# Altium PCB ESP32-PicoDK.PcbDoc
Units mil, origin at the board's own origin, x right, y up, seen from the top; angles counter-clockwise.
Board outline 2080 x 860 mil, 2 copper layers (Top1, Bottom2), stack 40.202 mil thick; 54 components, 69 nets, 281 pads, 138 vias.
Unrouted connection lines stored in the file: 56.
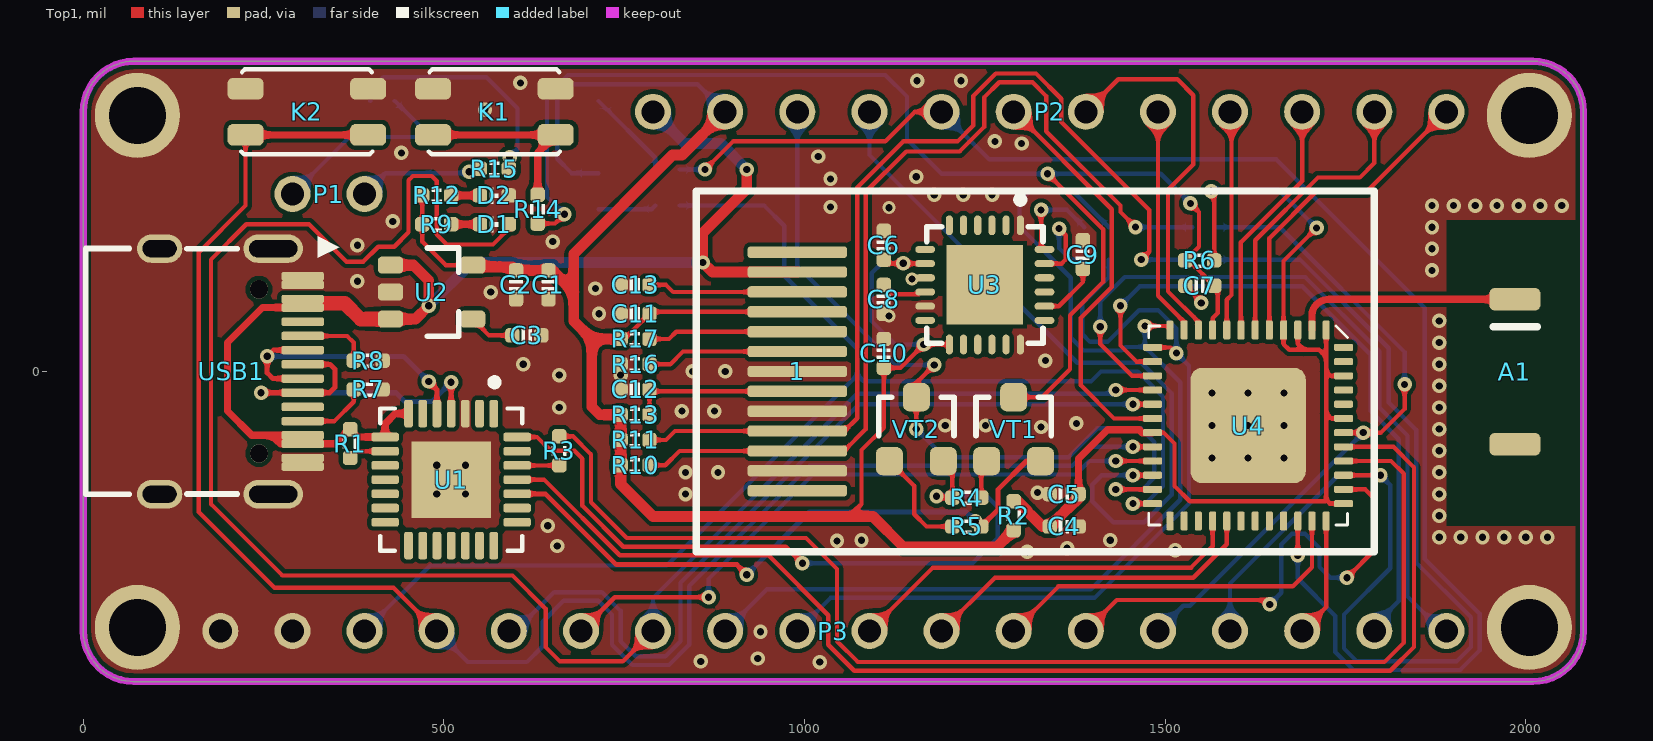
[diagram p0: Top1 view]
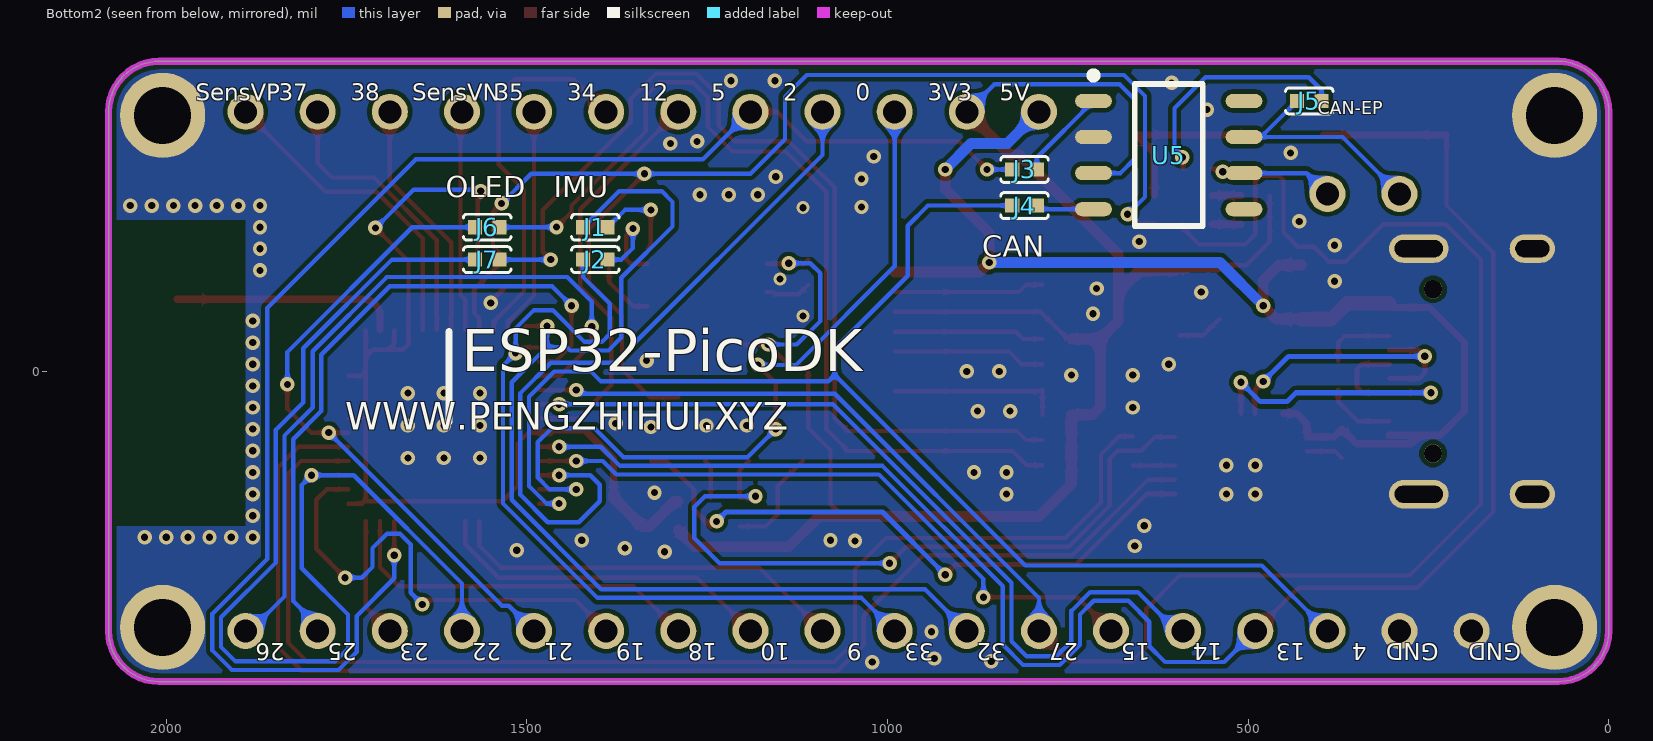
[diagram p1: Bottom2 view, seen from below]
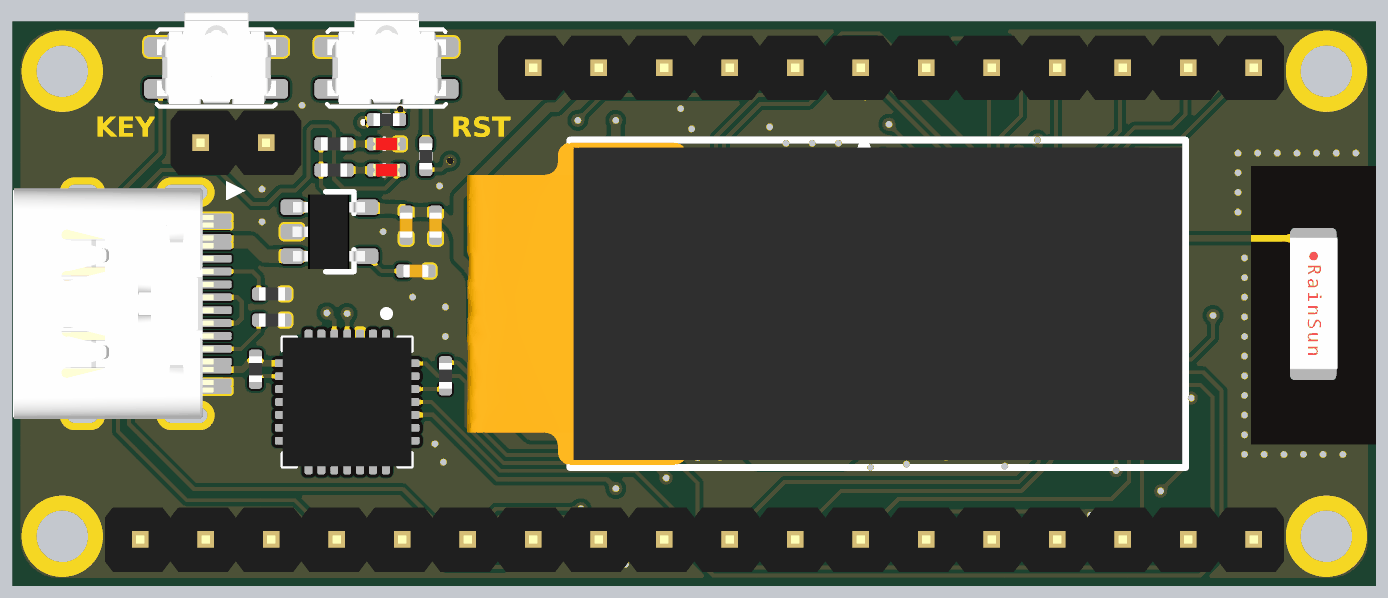
[diagram p2: 3D render of the assembled board from above, using the file's embedded part models]

## Layer stack, top to bottom
Top Solder: solder mask 0.4, Solder Resist, Dk 3.5
Top1: signal copper 1.4
Dielectric 1: core 37.4016, FR-4, Dk 4.2
Bottom2: signal copper 1.4
Bottom Solder: solder mask 0.4, Solder Resist, Dk 3.5

## Board outline
0,-360 0,360 cw(c70,360) 70,430 2010,430 cw(c2010,360) 2080,360 2080,-360 cw(c2010,-360) 2010,-430 70,-430 cw(c70,-360)

## Design rules (kind name [scope] priority, off if disabled: settings)
Clearance [All] p1: gap=6 ignorepadtopadclearanceinfootprint=FALSE
ComponentClearance [All] p1: gap=0 collisioncheckmode=3 verticalgap=0 showdistances=FALSE
DiffPairsRouting [All] p1: maxlimit=9 minlimit=9 mostfreqgap=9 toplayer_minwidth=4 toplayer_maxwidth=4 toplayer_prefwidth=4 bottomlayer_minwidth=4 bottomlayer_maxwidth=4 bottomlayer_prefwidth=4 maxuncoupledlength=500
FanoutControl Fanout_BGA [All] p1: bgadir=Out bgaviamode=Centered fanoutstyle=Auto fanoutdirection=Alternating viagrid=1 // Fanout_BGA (Default Rule)
HoleSize [All] p1: absolutevalues=TRUE maxlimit=10000 minlimit=8 maxpercent=80.000 minpercent=20.000
MinimumSolderMaskSliver [All] p1 off: minsoldermaskwidth=2
PlaneClearance [All] p1: clearance=8
PlaneConnect [All] p1: planeconnectstyle=Direct reliefexpansion=20 reliefentries=4 reliefconductorwidth=10 reliefairgap=10
PolygonConnect [All] p1: connectstyle=Direct reliefconductorwidth=10 reliefentries=4 polygonreliefangle="90 Angle" airgapwidth=10
RoutingVias [All] p1: holewidth=8 width=16 viastyle="Through Hole" minholewidth=6 minwidth=12 maxholewidth=28 maxwidth=50
SilkToBoardRegionClearance [All] p1 off:
SilkToSilkClearance [All] p1: silktosilkclearance=0
SilkToSolderMaskClearance [IsPad] p1: minsilkscreentomaskgap=0 clearancetoexposedcopper=TRUE
SolderMaskExpansion [All] p1: expansion=3 istentingtop=FALSE
Width [All] p1: maxlimit=10000 minlimit=6 preferedwidth=7
20 further rules are at their usual default settings.

## Components (designator, comment, footprint, x,y, rotation, side; value= is the part's Value field where it differs from the comment)
1 "OLED-12880" OLED-12880 990,0 r180 top locked
A1 "RAINSUN" ANT-Rainsun-AN5120 1985,0 r270 top
C1 "0.1uF" CAP_0402 645,120 r90 top value=0.1u
C2 "10uF" CAP_0402 600,120 r90 top value=0.1u
C3 "10nF" CAP_0402 615,50 r180 top value=0.1u
C4 "10uF" CAP_0402 1360,-215 r180 top value=0.1u
C5 "0.1uF" CAP_0402 1360,-170 r0 top value=0.1u
C6 "10nF" CAP_0402 1110,175 r90 top value=0.1u
C7 "0.1uF" CAP_0402 1548,118.89 r180 top value=0.1u
C8 "0.1uF" CAP_0402 1110,100 r270 top value=0.1u
C9 "2.2nF" CAP_0402 1386,162 r270 top value=0.1u
C10 "0.1uF" CAP_0402 1110,25 r270 top value=0.1u
C11 "10uF" CAP_0402 765,80 r0 top value=0.1u
C12 "10uF" CAP_0402 765,-25 r0 top value=0.1u
C13 "10uF" CAP_0402 765,120 r0 top value=0.1u
D1 "color?" LED_0402_RED 570,204 r0 top
D2 "color?" LED_0402_RED 570,244 r0 top
J1 "跳线" 0402-0R 1405,200 r0 bottom
J2 "跳线" 0402-0R 1405,155 r0 bottom
J3 "跳线" 0402-0R 810,280 r0 bottom
J4 "跳线" 0402-0R 810,230 r0 bottom
J5 "跳线" 0402-0R 415,375 r180 bottom
J6 "跳线" 0402-0R 1555,200 r0 bottom
J7 "跳线" 0402-0R 1555,155 r0 bottom
K1 "TACT 4P" ButtonTACT_3.5*3.55_90 570,360 r0 top value=3.4x3.5
K2 "TACT 4P" ButtonTACT_3.5*3.55_90 310,360 r0 top value=3.4x3.5
P1 "HDR2x1_2.54" HDR1X2_2.54_180 290,246 r90 top
P2 "HDR1x12_2.54" HDR1X12_2.54_180 1890,360 r270 top locked
P3 "HDR1x18_2.54" HDR1X18_2.54_180 1890,-360 r270 top locked
R1 "10K" RES_0402 370,-100 r270 top value=22R
R2 "0R" RES_0402 1290,-200 r90 top value=22R
R3 "200R" RES_0402 660,-110 r270 top value=22R
R4 "12K" RES_0402 1225,-175 r0 top value=22R
R5 "12K" RES_0402 1225,-215 r180 top value=22R
R6 "10K" RES_0402 1548,153.89 r180 top value=22R
R7 "5.1K" RES_0402 395,-25 r0 top value=22R
R8 "5.1K" RES_0402 395,15 r0 top value=22R
R9 "1K" RES_0402 490,204 r0 top value=22R
R10 "10K" RES_0402 765,-130 r180 top value=22R
R11 "10K" RES_0402 765,-95 r180 top value=22R
R12 "1K" RES_0402 490,244 r0 top value=22R
R13 "10K" RES_0402 765,-60 r180 top value=22R
R14 "1K" RES_0402 630,225 r270 top value=22R
R15 "120R" RES_0402 570,281 r180 top value=22R
R16 "560K" RES_0402 765,10 r180 top value=22R
R17 "4.7K" RES_0402 765,45 r180 top value=22R
U1 "CP2102" QFN-28 510,-150 r270 top value=Value
U2 "LP2992 3V3" SOT23-5 485,110 r0 top
U3 "MPU6050" QFN-24 1250,120 r270 top locked
U4 "ESP32_SIP" QFN-48_7X7 1615,-75 r270 top
U5 "SN65HVD232D" SO-8 610,300 r180 bottom
USB1 "Type-C" Type-C-TOP 205,0 r180 top locked
VT1 "S8050" SMT_TRIODE_NPN 1290,-80 r0 top
VT2 "S8050" SMT_TRIODE_NPN 1155,-80 r0 top

## Footprints (in the part's own frame and the unit in brackets; to place one, negate y for a bottom-side part, rotate by r counter-clockwise, add the part's x,y. Pads: shape width x height; smd on the part's side, far side on the other; paste and mask are expansions set on the pad)
0402-0R [mm] "选择焊盘"
  rect 0.5x0.5 smd: 1(-0.432,0) 2(0.432,0)
  silkscreen extent -0.84,-0.46 0.84,0.46
ANT-Rainsun-AN5120 [mm] "选择焊盘"
  rrect50% 0.8x1.8 smd: 1(-2.54,0) ""(2.563,0)
  silkscreen extent -1.57,-0.76 -1.57,0.79, body extent -2.57,-0.91 2.54,0.94, height 1.32
ButtonTACT_3.5*3.55_90 [mil]
  rrect50% 50x30 smd: 1(-85,32) 2(-85,-32) 3(85,32) 4(85,-32)
  silkscreen extent -91,-59 91,59, body extent -90,-55 91,85, height 56
CAP_0402 [mil]
  rrect50% 20x20 smd: 1(-20,0) 2(20,0)
  silkscreen extent -7,-9 7,9, body extent -20,-10 20,10, height 20
HDR1X2_2.54_180 [mil]
  round 50 hole 32: 1(0,0) 2(0,-100)
  body extent -49,-150 49,50, height 323
HDR1X12_2.54_180 [mil]
  round 50 hole 32: 1(0,0) 2(0,-100) 3(0,-200) 4(0,-300) 5(0,-400) 6(0,-500) 7(0,-600) 8(0,-700) 9(0,-800) 10(0,-900) 11(0,-1000) 12(0,-1100)
  body extent -49,-1150 49,50, height 323
HDR1X18_2.54_180 [mil]
  round 50 hole 32: 1(0,0) 2(0,-100) 3(0,-200) 4(0,-300) 5(0,-400) 6(0,-500) 7(0,-600) 8(0,-700) 9(0,-800) 10(0,-900) 11(0,-1000) 12(0,-1100) 13(0,-1200) 14(0,-1300) 15(0,-1400) 16(0,-1500) 17(0,-1600) 18(0,-1700)
  body extent -49,-1750 49,50, height 323
LED_0402_RED [mil]
  rrect50% 20x20 smd: 1(-20,0) 2(20,0)
  silkscreen extent -6,-10 6,10, body extent -20,-10 20,10, height 18
OLED-12880 [mm]
  rrect50% 3.5x0.4 smd: 1(0,-4.2) 2(0,-3.5) 3(0,-2.8) 4(0,-2.1) 5(0,-1.4) 6(0,-0.7) 7(0,0) 8(0,0.7) 9(0,1.4) 10(0,2.1) 11(0,2.8) 12(0,3.5) 13(0,4.2)
  silkscreen extent -20.32,-6.35 3.56,6.35, body extent -20.18,-6.25 7.54,6.25, height 1.55
QFN-24 [mm] "QFN, 24-Leads, Body 4.1x4.1mm (max), Pitch 0.50mm, IPC Low Density"
  oval 0.7x0.25 smd: 1(-2.1,1.25) 2(-2.1,0.75) 3(-2.1,0.25) 4(-2.1,-0.25) 5(-2.1,-0.75) 6(-2.1,-1.25) 13(2.1,-1.25) 14(2.1,-0.75) 15(2.1,-0.25) 16(2.1,0.25) 17(2.1,0.75) 18(2.1,1.25)
  oval 0.25x0.7 smd: 7(-1.25,-2.1) 8(-0.75,-2.1) 9(-0.25,-2.1) 10(0.25,-2.1) 11(0.75,-2.1) 12(1.25,-2.1) 19(1.25,2.1) 20(0.75,2.1) 21(0.25,2.1) 22(-0.25,2.1) 23(-0.75,2.1) 24(-1.25,2.1)
  rect 2.8x2.7 smd: ""(0,0)
  silkscreen extent -3.12,-2.05 2.05,2.05, body extent -2.02,-2.02 2.02,2.02, height 0.95
QFN-28 [mil]
  rrect50% 38x12 smd mask+5: 1(-91.5,59.06) 2(-91.5,39.37) 3(-91.5,19.69) 4(-91.5,0) 5(-91.5,-19.68) 6(-91.5,-39.37) 7(-91.5,-59.06) 15(91.5,-59.06) 16(91.5,-39.37) 17(91.5,-19.68) 18(91.5,0) 19(91.5,19.69) 20(91.5,39.37) 21(91.5,59.06)
  rrect50% 12x38 smd mask+5: 8(-59.06,-91.5) 9(-39.37,-91.5) 10(-19.69,-91.5) 11(0,-91.5) 12(19.68,-91.5) 13(39.37,-91.5) 14(59.06,-91.5) 22(59.06,91.5) 23(39.37,91.5) 24(19.68,91.5) 25(0,91.5) 26(-19.69,91.5) 27(-39.37,91.5) 28(-59.06,91.5)
  rect 106.3x110.24 smd: 29(0,0)
  silkscreen extent -140,-99 99,99, body extent -99,-99 98,98, height 35
QFN-48_7X7 [mm]
  rrect50% 0.675x0.25 smd: 1(-3.363,2.75) 2(-3.363,2.25) 3(-3.363,1.75) 4(-3.363,1.25) 5(-3.363,0.75) 6(-3.363,0.25) 7(-3.363,-0.25) 8(-3.363,-0.75) 9(-3.363,-1.25) 10(-3.363,-1.75) 11(-3.363,-2.25) 12(-3.363,-2.75) 25(3.363,-2.75) 26(3.363,-2.25) 27(3.363,-1.75) 28(3.363,-1.25) 29(3.363,-0.75) 30(3.363,-0.25) 31(3.363,0.25) 32(3.363,0.75) 33(3.363,1.25) 34(3.363,1.75) 35(3.363,2.25) 36(3.363,2.75)
  rrect50% 0.25x0.675 smd: 13(-2.75,-3.363) 14(-2.25,-3.363) 15(-1.75,-3.363) 16(-1.25,-3.363) 17(-0.75,-3.363) 18(-0.25,-3.363) 19(0.25,-3.363) 20(0.75,-3.363) 21(1.25,-3.363) 22(1.75,-3.363) 23(2.25,-3.363) 24(2.75,-3.363) 37(2.75,3.363) 38(2.25,3.363) 39(1.75,3.363) 40(1.25,3.363) 41(0.75,3.363) 42(0.25,3.363) 43(-0.25,3.363) 44(-0.75,3.363) 45(-1.25,3.363) 46(-1.75,3.363) 47(-2.25,3.363) 48(-2.75,3.363)
  rrect20% 4.064x4.064 smd: 49(0,0)
  silkscreen extent -3.5,-3.5 3.5,3.5, body extent -3.5,-3.5 3.5,3.5, height 1
RES_0402 [mil]
  rrect50% 20x20 smd: 1(-20,0) 2(20,0)
  silkscreen extent -7,-10 7,10, body extent -20,-10 20,10, height 14
SMT_TRIODE_NPN [mm] "Surface mount NPN transistor, package SOT-23"
  rrect50% 0.95x1 smd: 1(-0.95,-1.125) 2(0.95,-1.125) 3(0,1.125)
  silkscreen extent -1.33,-0.22 1.32,1.13, body extent -1.45,-1.4 1.45,1.4, height 1.3
SO-8 [mm]
  oval 1.3x0.5 smd: 1(-2.65,1.905) 2(-2.65,0.635) 3(-2.65,-0.635) 4(-2.65,-1.905) 5(2.65,-1.905) 6(2.65,-0.635) 7(2.65,0.635) 8(2.65,1.905)
  silkscreen extent -2.78,-2.5 1.2,2.93, body extent -2.89,-2.44 2.89,2.46, height 1.45
SOT23-5 [mm] "SOT23, 3-Leads, Body 3.1x3.0mm (max), Pitch 0.95mm, IPC Medium Density"
  rrect50% 0.889x0.6 smd: 1(-1.5,0.95) 2(-1.5,0) 3(-1.5,-0.95) 4(1.396,-0.95) 5(1.396,0.95)
  silkscreen extent -0.2,-1.55 0.9,1.55, body extent -1.48,-1.45 1.32,1.45, height 1.2
Type-C-TOP [mm]
  round 0.65 hole 0.65: 0(-0.98,2.89) 0(-0.98,-2.89)
  oval 1.6x1 hole 0.6 slot 1.2 at 0 deg: 1(2.52,4.325) 2(2.52,-4.325)
  oval 2.1x1 hole 0.6 slot 1.7 at 0 deg: 3(-1.48,-4.325) 4(-1.48,4.325)
  rrect50% 1.5x0.3 smd: A1(-2.52,-3.35) A4(-2.52,-2.55) A5(-2.52,-1.25) A6(-2.52,-0.25) A7(-2.52,0.25) A8(-2.52,1.25) A9(-2.52,2.55) A12(-2.52,3.35) B1(-2.52,3.05) B4(-2.52,2.25) B5(-2.52,1.75) B6(-2.52,0.75) B7(-2.52,-0.75) B8(-2.52,-1.75) B9(-2.52,-2.25) B12(-2.52,-3.05)
  silkscreen extent -0.22,-4.33 5.12,4.33, body extent -2.57,-4.48 5.18,4.48, height 3.26

## Part data
A1: library part ANT-Rainsun-AP5120
C1 C2 C3 C4 C5 C6 C7 C8 C9 C10 C11 C12 C13: library part 电容-0402, "Capacitor"
D1 D2: library part LED_0402, "LED", Type=0402
J1 J2 J3 J4 J5 J6 J7: "Resistor", LatestRevisionDate=17-Jul-2002, LatestRevisionNote="Re-released for DXP Platform.", PackageDescription="Axial Device, Thru-Hole; 2 Leads; 0.4 in Pin Spacing", PackageReference=AXIAL-0.4, Published=8-Jun-2000, Publisher="Altium Limited"
K1 K2: library part ButtonTACT, "Button", Type="TACT 4P"
P1 P2 P3: "Header"
R1 R2 R3 R4 R5 R6 R7 R8 R9 R10 R11 R12 R13 R14 R15 R16 R17: library part 电阻-0402, "Resistor"
U1: "USB转TTL", MFG #1="SILICON LABS", PART DESC="SINGLE-CHIP USB TO UART BRIDGE, QFN28, RoHS.", PART NUMBER=CP2102, RefDes=RefDes, Type=DEV
U2: library part LP2992, "LDO"
U3: "六轴传感器"
U4: library part ESP32-PICO
U5: Manufacturer="Texas Instruments", Manufacturer Part Number=SN65HVD232DR, Operating Temperature="-40°C ~ 85°C", Package / Case="8-SOIC (0.154\", 3.90mm Width)", Supplier Device Package=8-SOIC, Supplier Part Number 1=296-26344-2-ND, Voltage - Supply="3 V ~ 3.6 V", Category="Integrated Circuits (ICs)", ComponentLink1Description=http://www.ti.com/lit/ds/symlink/sn65hvd230.pdf, ComponentLink1URL=http://www.ti.com/lit/ds/symlink/sn65hvd230.pdf, Data Rate=1Mbps, Duplex=Half, Mounting Type="Surface Mount", Number of Drivers/Receivers=1/1, Packaging="Tape & Reel (TR)", Part Status=Active, Pricing 1="2500=0.84375 (USD)", Pricing 2="1=2.05, 10=1.842, 100=1.4809, 500=1.21668, 1000=1.00811 (USD)", Protocol=CAN, RoHS="RoHS Compliant", Stock=5000, Supplier 1=Digi-Key, Supplier 2=Digi-Key, Supplier Part Number 2=296-26344-1-ND, Type=Transceiver
USB1: library part USB-Type-C-TOP
VT1 VT2: library part SMT_TRIODE_NPN, "Surface mount NPN transistor, package SOT-23"

## Free pads (board coordinates)
  round 118.11 hole 78.74: ""(75,-355) ""(75,355) ""(2005,-355) ""(2005,355)

## Via types
v1: diameter 20, hole 10, Top1 to Bottom2, tented both sides, 135 vias
v2: diameter 18, hole 10, Top1 to Bottom2, tented both sides, 3 vias

## Nets (pads, with @x,y where several pads share a name; then routed paths per layer and width w, separated by ;. In a path a pad name is that pad's centre, name@x,y a point inside that pad or via, vN(x,y) a via of type N, cw(c..) or ccw(c..) an arc to the next point about the centre after c; other vN are vias at no path point)
3V3A: C4.2 C5.2 R2.2 R6.1 U4.1 U4.3 U4.4 U4.19 U4.37 U4.43 U4.46 | length 1465.8
  Top1 w6: U4.19 1497.84,-84.84 1513,-100 1513,-159 1534,-180 1721.54,-180 1723.27,-178.27 ; v1(1563.99,250) 1568,245.99 R6.1 ; U4.3 1683.9,38.74 1692.63,30 ; v1(1710,199) 1664.21,153.21 U4.4 1664.21,37.79 1672,30 1692.63,30 ; U4.1 1723.27,20 ; U4.37 1728.27,-183.27 1723.27,-178.27 ; U4.43 1730.16,-65.16 1723.27,-58.27 ; U4.46 1729.1,-6.1 1723.27,-0.27 ; 1692.63,30 1713.27,30 1723.27,20 ; 1723.27,-178.27 1723.27,-58.27 ; 1723.27,-58.27 1723.27,-0.27 ; 1723.27,-0.27 1723.27,20
  Top1 w10: C5.2 1380,-121 1420,-81 1464,-81 1468,-85 1482.46,-85 U4.19
  Top1 w15: R2.2 1295,-180 1330,-215 C4.2@1335,-215 ; C4.2 1380,-175 C5.2
  Bottom2 w6: v1(1563.99,250) 1565.99,252 1657,252 v1(1710,199)
CAN_H: J5.1 P1.1 U5.7 | length 319.1
  Bottom2 w6: P1.1 369,325 U5.7@482,325 ; J5.1 U5.7@482,325 ; U5.7 U5.7@482,325
CAN_L: P1.2 R15.2 U5.6 | length 174.5
  Top1 w6: v1(535,277) 539,281 R15.2
  Bottom2 w6: P1.2 419,275 U5.6 533,275 v1(535,277)
CAN_Rx: J4.1 U5.4 | length 80.7
  Bottom2 w6: U5.4 788,225 J4.1
CAN_Tx: J3.1 U5.1 | length 127.6
  Bottom2 w6: U5.1 793,296.33 J3.1
CP_Rx: U1.25 U4.41 | length 1749.4
  Top1 w6: U1.25 638.68,-150 743.68,-255 950,-255 1033,-338 1033,-379 1069,-415 1812,-415 1845,-382 1845,-133 1816.53,-104.53 U4.41
CP_Tx: R3.1 U4.40 | length 1734.3
  Top1 w6: R3.1 679,-90 704,-115 704,-181.38 753.62,-231 1002,-231 1045,-274 1045,-374.03 1073.97,-403 1804,-403 1831,-376 1831,-142 1813.21,-124.21 U4.40
DTR: R4.1 U1.28 VT2.2 | length 1004.8
  Top1 w6: U1.28 628.95,-90.94 648,-110 681,-110 692,-121 692,-186.35 748.65,-243 974,-243 v1(997,-266) ; v1(1183,-173) 1185,-175 R4.1 1205,-136.89 VT2.2
  Bottom2 w6: v1(997,-266) 1233,-266 1268,-231 1268,-188 1253,-173 v1(1183,-173)
EN: C7.1 R6.2 R14.2 U4.9 VT1.3 | length 1857.6
  Top1 w6: R14.2 654,205 v1(667,218) ; VT1.3 1329.29,-35.71 1368,3 1368,78 1414,124 1414,197 v1(1337,274) ; v1(1535,233) 1547,221 1547,172.89 R6.2 1533,153.89 C7.1 1573,113.89 1573,81 1565.79,73.79 U4.9
  Bottom2 w6: v1(667,218) 643,242 643,382 672,411 1112,411 1142,381 1142,322 1190,274 v1(1337,274) 1494,274 v1(1535,233)
FLASH_CLK: U4.31
FLASH_CS: U4.25
FLASH_SD0: U4.27
FLASH_SD1: U4.33
FLASH_SD2: U4.30
FLASH_SD3: U4.32
GND: 1.7 1.9 1.12 C1.1 C2.1 C3.1 C4.1 C5.1 C6.2 C7.2 C8.2 C9.1 C10.1 C11.1 C12.1 C13.1 D2.2 K1.1 K1.3 K2.1 K2.3 P3.17 P3.18 pad. R7.2 R8.2 R16.2 U1.3 U1.29 U2.2 U3.1 U3.9 U3.11 U3.18 U4.49 U5.2 USB1.1 USB1.2 USB1.3 USB1.4 USB1.A1 USB1.A12 USB1.B1 USB1.B12 | length 33
  Top1 w6: C7.2 1550,96.89 v1(1550,95)
  other v1: 1021,-403 856,-402 935,-398 939,-361 1309,-250 1514,-248 1364,-245 657,-242 1045,-235 1079,-234 1424,-234 1880,-230 1910,-230 1940,-230 1970,-230 2000,-230 2030,-230 644,-214 1880,-200 490,-170 530,-170 835,-170 1880,-170 1323,-168 835,-140 880,-140 1880,-140 490,-130 530,-130 1565,-120 1615,-120 1665,-120 1880,-110 1880,-80 1328,-77 1195,-75 1251,-75 1565,-75 1615,-75 1665,-75 1377,-72 830,-55 875,-55 660,-50 1880,-50 1565,-30 1615,-30 1665,-30 1880,-20 660,-5 745,-5 845,0 890,0 610,10 1880,10 1334,15 1880,40 1880,70 715,80 565,110 710,115 380,125 1870,140 1870,170 380,175 651,180 1870,200 429,208 1036,228 1870,230 1900,230 1930,230 1960,230 1990,230 2020,230 2050,230 1180,245 1220,245 1260,245 1036,267 1155,270 1019,298 441,303 1301,316 1264,319 557,363 606,400 1156,403 1217,403
  other v2: 1117,77 1149,128 1117,227
GPIO0: P2.10 U4.23 VT2.3 | length 1091.3
  Top1 w6: v1(1155,-80) VT2.3 1155,-16 v1(1180,9) ; v1(1431.42,-163.58) U4.23
  Bottom2 w6: P2.10 990,146 1127,9 v1(1180,9) ; v1(1155,-80) 1194,-119 1366,-119 1406,-79 1466,-79 1485,-98 1485,-147 1468.42,-163.58 v1(1431.42,-163.58)
GPIO2: P2.9 U4.22 | length 1006.5
  Top1 w6: v1(1455.27,-143.9) U4.22
  Bottom2 w6: P2.9 1090,300 1378,12 1457,12 1466.97,12 1509,-30.03 1509,-171 1471,-209 1428,-209 1399,-180 1399,-157 1412.1,-143.9 v1(1455.27,-143.9)
GPIO4: J4.2 P3.16 U4.24 | length 1886.5
  Top1 w6: v1(1455.27,-183.27) U4.24
  Bottom2 w6: P3.16 481,-269 809,-269 1073.21,-4.79 ; J4.2 944,230 972,202 972,132.71 1073.21,31.5 1073.21,-4.79 ; v1(1455.27,-183.27) 1472.73,-183.27 1497,-159 1497,-35 1462,0 1411,0 1397.21,-13.79 1082.21,-13.79 1073.21,-4.79
GPIO5: J3.2 P2.8 U4.34 | length 2110
  Top1 w6: v1(862,280) 901,319 1112,319 1153,360 P2.8 ; v1(1683.9,-254.9) U4.34
  Bottom2 w6: J3.2 v1(862,280) ; P2.8 1256,294 1654,294 1860,88 1860,-260 1936,-336 1936,-386.97 1908.97,-414 1761.03,-414 1736,-388.97 1736,-339 1683.9,-286.9 v1(1683.9,-254.9)
GPIO9: P3.9 U4.28 | length 559.4
  Top1 w6: P3.9 1178,-272 1536.03,-272 1565.79,-242.24 U4.28
GPIO10: P3.8 U4.29 | length 477.5
  Top1 w6: P3.8 1264,-286 1539,-286 1585.47,-239.53 U4.29
GPIO12: P2.7 U4.18 | length 572.5
  Top1 w6: P2.7 1291,360 1426,225 1426,117 1383,74 1383,-19 1429.16,-65.16 U4.18
GPIO13: K2.2 K2.4 P3.15 U4.20 | length 2418.1
  Top1 w6: K2.2 225,230 160,165 160,-195 265,-300 430,-300 P3.15 ; v1(1455.27,-104.53) U4.20
  Top1 w10: K2.2 K2.4
  Bottom2 w6: P3.15 533,-403 615,-403 637,-381 637,-347 666,-318 714,-318 733,-337 733,-378.97 761.03,-407 812.03,-407 840,-379.03 840,-297.91 1006.91,-131 1370.97,-131 1397.44,-104.53 v1(1455.27,-104.53)
GPIO14: P3.14 U4.17 | length 1168.7
  Top1 w6: v1(1455.27,-45.47) U4.17
  Bottom2 w6: P3.14 599,-360 653,-306 718.97,-306 745,-332.03 745,-342 745,-374 766,-395 807.06,-395 828,-374.06 828,-292.94 1075.47,-45.47 v1(1455.27,-45.47)
GPIO15: P3.13 U4.21 | length 905
  Top1 w6: P3.13 737,-313 v1(867,-313) ; v1(1431.42,-124.21) U4.21
  Bottom2 w6: v1(867,-313) 867,-287.88 1011.88,-143 1375.94,-143 1394.73,-124.21 v1(1431.42,-124.21)
GPIO18: P3.7 U4.35 | length 514.3
  Top1 w6: P3.7 1352,-298 1677,-298 1703.58,-271.42 U4.35
GPIO19: P3.6 U4.38 | length 677.8
  Top1 w6: P3.6 1433,-317 1639,-317 v1(1645,-323) ; U4.38 1777.58,-163.58 1792,-178 1792,-246 v1(1752,-286)
  Bottom2 w6: v1(1645,-323) 1661,-307 1661,-239.97 1675.97,-225 1694,-225 1714,-245 1714,-271 1729,-286 v1(1752,-286)
GPIO21: J6.2 P3.5 U4.42 | length 907.6
  Top1 w6: U4.42 v1(1774.73,-84.84) 1799.16,-84.84 1832,-52 v1(1832,-18)
  Bottom2 w6: P3.5 1525,-325 1534.57,-325 v1(1774.73,-84.84) ; J6.2 1659,200 1832,27 v1(1832,-18)
GPIO22: J7.2 P3.4 U4.39 | length 1602.1
  Top1 w6: U4.39 v1(1798.58,-143.9)
  Bottom2 w6: J7.2 1687.03,155 1810,32.03 1810,-43 1848,-81 1848,-264.97 1924,-340.97 1924,-382 1904,-402 1766,-402 1748,-384 1748,-337 1812,-273 1812,-157.35 v1@1798.58,-143.93 ; P3.4 1590,-294 1740.1,-143.9 v1(1798.58,-143.9)
GPIO23: P3.3 U4.36 | length 166.4
  Top1 w6: P3.3 1723.27,-326.73 U4.36
GPIO25: P3.2 U4.14 | length 919.8
  Top1 w6: v1(1438,91) 1438,35.91 1460.33,13.58 U4.14
  Bottom2 w6: v1(1438,91) 1465,118 1690.09,118 1785,23.09 1785,-54.97 1824,-93.97 1824,-318.33 1790,-352.33 P3.2
GPIO26: P3.1 U4.15 | length 1023.7
  Top1 w6: v1(1410.03,62.03) 1410,38 1454.1,-6.1 U4.15
  Bottom2 w6: v1(1410.03,62.03) 1410,97 1444,131 1694.06,131 1797,28.06 1797,-50 1836,-89 1836,-312 1884,-360 P3.1
GPIO27: D1.2 P3.12 U4.16 | length 2592.9
  Top1 w6: D1.2 590,198 568,176 504,176 490,190 490,264 483,271 457,271 451,265 451,193 431,173 409,173 388,152 365,152 313,204 226,204 177,155 177,-184 276,-283 595,-283 641,-329 641,-382 661,-402 748,-402 P3.12 ; v1(1431.42,-25.79) U4.16
  Bottom2 w6: P3.12 790,-313.97 1072.97,-31 1426.2,-31 v1(1431.42,-25.79)
GPIO32: J1.2 P3.11 U4.12 | length 1485.6
  Top1 w6: v1(1472,63) 1501.11,63 U4.12
  Bottom2 w6: P3.11 948,-302 1397.03,-302 1521,-178.03 1521,-15.03 1472,33.97 ; J1.2 1372,250 1313,250 1298,235 1298,201 1369,130 1369,47 1387,29 1440,29 1444.97,33.97 1472,33.97 ; v1(1472,63) 1472,33.97
GPIO33: J2.2 P3.10 U4.13 | length 1184.4
  Top1 w6: U4.13 1507.73,33.27 v1(1515.58,25.42)
  Bottom2 w6: P3.10 1036,-314 1402,-314 1533,-183 1533,8 v1(1515.58,25.42) 1515.58,59.42 1490,85 1464,85 1420,41 1396,41 1385,52 1385,94 1422,131 J2.2
GPIO34: P2.6 U4.10 | length 534.3
  Top1 w6: P2.6 1435,405 1517,405 1539,383 1539,287 1504,252 1504,111 1546.1,68.9 U4.10
GPIO35: P2.5 U4.11 | length 317.7
  Top1 w6: P2.5 1490,105 1526.42,68.58 U4.11
GPIO37: P2.2 U4.6 | length 405
  Top1 w6: U4.6 1624.84,181.87 1711.97,269 1770,269 1790,289 P2.2
GPIO38: P2.3 U4.7 | length 337.9
  Top1 w6: U4.7 1605,57.54 1605,179 1690,264 P2.3
MPU_SCL: J2.1 U3.23 | length 146.9
  Top1 w6: U3.23 1356.53,149.53 1362,155 1362,189 v1(1353,198)
  Bottom2 w6: v1(1353,198) 1353,171 1369,155 J2.1
MPU_SDA: J1.1 U3.24 | length 126.7
  Top1 w6: v1(1328,224) 1328,173.89 U3.24
  Bottom2 w6: v1(1328,224) 1364,224 J1.1
Net1_3: 1.3 C13.2 | length 209
  Top1 w6: C13.2 808,120 817.76,110.24 1.3
Net1_5: 1.5 R17.1 | length 209.2
  Top1 w6: R17.1 812,45 822.12,55.12 1.5
Net1_6: 1.6 R16.1 | length 212.3
  Top1 w6: R16.1 814,10 831.56,27.56 1.6
Net1_8: 1.8 C12.2 R13.1 | length 237.4
  Top1 w6: R13.1 C12.2 ; C12.2@787.56,-27.56 1.8
NetA1_1: A1.1 U4.2 | length 314.2
  Top1 w10: U4.2 1703.58,78.09 cw(c1723.96,78.09) 1709.55,92.5 cw(c1727.66,74.39) 1727.66,100 A1.1
NetC3_2: C3.2 U2.4 | length 64.4
  Top1 w6: U2.4 562.54,50 C3.2
NetC8_1: C8.1 U3.10 | length 64
  Top1 w6: C8.1 1123,107 1156,107 1159.16,110.16 U3.10
NetC9_2: C9.2 U3.20 | length 85.2
  Top1 w6: U3.20 1352.47,90.47 1386,124 C9.2
NetD1_1: D1.1 R9.2 | length 40
  Top1 w10: R9.2 D1.1
NetD2_1: D2.1 R12.2 | length 40
  Top1 w10: R12.2 D2.1
NetJ5_2: J5.2 R15.1 | length 333.2
  Top1 w6: R15.1 590,296 v1(591,297)
  Bottom2 w6: J5.2 398,390 416,408 559,408 602,365 602,308 v1(591,297)
NetK1_2: K1.2 K1.4 R14.1 | length 263.4
  Top1 w10: K1.2 K1.4 630,303 R14.1
NetR1_2: R1.2 U1.9 | length 52.4
  Top1 w6: R1.2 379.37,-110.63 U1.9
NetR3_2: R3.2 U1.26 | length 58.2
  Top1 w6: U1.26 R3.2@659.69,-130.31
NetR4_2: R4.2 VT1.1 | length 53.9
  Top1 w6: R4.2 1245,-131.89 VT1.1
NetR5_2: R5.2 VT2.1 | length 148
  Top1 w6: VT2.1 1152,-158.69 1152,-198 1169,-215 R5.2
NetR7_1: R7.1 USB1.B5 | length 98.9
  Top1 w6: USB1.B5 348.1,-68.9 375,-42 R7.1
NetR8_1: R8.1 USB1.A5 | length 99.6
  Top1 w6: USB1.A5 365.79,49.21 375,40 R8.1
OLED_SCL: 1.10 J7.1 R11.1 | length 1356.5
  Top1 w6: R11.1 808,-95 820.33,-82.67 1.10 1055.33,-82.67 1073,-65 1073,255 1137,319 1212.03,319 1234,340.97 1234,382 1265,413 1320.97,413 1356,377.97 1356,345.92 1478,223.92 1478,166 v1(1467,155)
  Bottom2 w6: v1(1467,155) J7.1
OLED_SDA: 1.11 J6.1 R10.1 | length 1306.9
  Top1 w6: R10.1 807,-130 826.77,-110.23 1.11 1054.77,-110.23 1085,-80 1085,249 1141,305 1215,305 1249,339 1249,380 1270,401 1316,401 1335,382 1335,333 1438,230 1438,221 v1(1458.88,200.12)
  Bottom2 w6: v1(1458.88,200.12) 1459,200 J6.1
RTS: R5.1 U1.24 VT1.2 | length 859.8
  Top1 w7: U1.24 640.69,-169.68 739,-268 906,-268 v1(920,-282) ; R5.1 1268,-192 1268,-164 1307.71,-124.29 VT1.2
  Bottom2 w7: v1(920,-282) 1007,-195 1224,-195 v1(1237,-208)
SENSOR_VN: P2.4 U4.8 | length 306.2
  Top1 w6: U4.8 1585.47,99.44 1592,105.97 1592,358 P2.4
SENSOR_VP: P2.1 U4.5 | length 445.3
  Top1 w6: U4.5 1644.53,184.59 1708.94,249 1779,249 P2.1
USB-PWR-DM: U1.5 USB1.A7 USB1.B7 | length 415.9
  Top1 w7: USB1.A7 262.84,-9.84 255,-2 v1(255,21) 263.53,29.53 USB1.B7 ; v1(479,-14) 490.32,-25.31 U1.5
  Bottom2 w7: v1(255,21) 444,21 v1(479,-14)
USB-PWR-DP: U1.4 USB1.A6 USB1.B6 | length 501.5
  Top1 w7: v1(246.53,-29.53) USB1.B6 341.47,-29.53 349,-22 349,3 342.16,9.84 USB1.A6 ; U1.4 v1(510,-15)
  Bottom2 w7: v1(246.53,-29.53) 433.53,-29.53 445.91,-41.91 483.09,-41.91 v1(510,-15)
VBUS: 1.2 P2.12 R1.1 U1.7 U1.8 U2.1 U2.3 USB1.A4 USB1.A9 USB1.B4 USB1.B9 | length 1715.7
  Top1 w10: USB1.B4 262,-88.58 ; USB1.B9 248.58,88.58 200,40 200,-55 233.58,-88.58 262,-88.58 ; U1.7 432.5,-58.5 418.5,-72.5 U1.8 380.94,-90.94 R1.1 349.61,-100.39 USB1.A9 273.81,-100.39 262,-88.58
  Top1 w15: U2.3 460.6,72.6 v1(479,91) 479,126 457.6,147.4 U2.1 ; v1(920,280) 920,253 859,192 v1(859,151) 872.2,137.8 1.2
  Top1 w20: USB1.A4@304.21,94.58 362.42,94.58 384.4,72.6 U2.3
  Bottom2 w15: v1(479,91) 539,151 v1(859,151) ; P2.12 834,316 884,316 v1(920,280)
VCC_3V3: 1.4 C1.2 C2.2 C6.1 C10.2 C11.2 P2.11 R2.1 R9.1 R10.2 R11.2 R12.1 R13.2 R17.2 U2.5 U3.8 U3.13 U5.3 | length 2845
  Top1 w6: R12.1 R9.1 470,180 502.6,147.4 U2.5 ; R17.2 750,45 C11.2 787.68,82.68 1.4 ; 1062,-201 1079,-184 1079,-109 1110,-78 C10.2 1133,5 v1(1165.32,37.32) U3.13 ; C6.1 1115.47,149.53 U3.8
  Top1 w15: U2.5 542.35,145 595,145 C2.2 C1.2 650,140 680,110 ; R17.2 705,45 ; P2.11 830,300 817,300 680,163 680,110 ; R2.1 1267,-243 1137,-243 1095,-201 1062,-201 790,-201 745,-156 R10.2 R11.2 R13.2 716,-60 705,-49 705,45 ; 680,110 680,70 705,45
  Bottom2 w6: U5.3 677,275 657,295 657,377 678,398 852,398 P2.11 ; v1(1137,150) 1107,150 1093,136 1093,70 1125.68,37.32 v1(1165.32,37.32)
pads on no net: 1.1 1.13 A1. U1.1 U1.2 U1.6 U1.10 U1.11 U1.12 U1.13 U1.14 U1.15 U1.16 U1.17 U1.18 U1.19 U1.20 U1.21 U1.22 U1.23 U1.27 U3. U3.2 U3.3 U3.4 U3.5 U3.6 U3.7 U3.12 U3.14 U3.15 U3.16 U3.17 U3.19 U3.21 U3.22 U4.26 U4.44 U4.45 U4.47 U4.48 U5.5 U5.8 USB1.0 USB1.A8 USB1.B8

## Polygon pours and split planes (outlines as drawn)
GND on Top1 "GND_L01_P000" (solid, remove dead copper, pour order 0): -20,460 -20,-460 2100,-460 2100,460
GND on Bottom2 "GND_L02_P001" (solid, remove dead copper, pour order 1): -20,460 -20,-460 2100,-460 2100,460

## Keep-outs
Keep-Out Layer:
  the board outline again, w10

## Other copper
Top1:
  pour cut-out: 1890,210 1890,-215 2115,-215 2115,210
Bottom2:
  pour cut-out: 1890,210 1890,-215 2115,-215 2115,210

## Silkscreen, mask and mechanical layers (free items; w line width, h text height)
Top Overlay:
  region: 325,157.5 325,187.5 355,172.5
Bottom Overlay:
  lines w10: 1607.84,-69.84 1607.84,55.16
  text "5V" at 844.24,367.98 h40
  text "3V3" at 944.24,367.98 h40
  text "0" at 1044.24,367.98 h40
  text "2" at 1144.24,367.98 h40
  text "5" at 1244.24,367.98 h40
  text "12" at 1344.24,367.98 h40
  text "34" at 1444.24,367.98 h40
  text "35" at 1544.24,367.98 h40
  text "SensVN" at 1659.09,367.98 h40
  text "38" at 1744.24,367.98 h40
  text "37" at 1844.24,367.98 h40
  text "SensVP" at 1959.09,367.98 h40
  text "CAN-EP" at 403.37,350.01 h30
  text "IMU" at 1462.58,232.01 h50
  text "OLED" at 1612.58,232.01 h50
  text "CAN" at 868.58,149.01 h50
  text "ESP32-PicoDK" at 1590.61,-19.24 h100
  text "WWW.PENGZHIHUI.XYZ" at 1752.11,-93.24 h65
  text "GND" at 120.91,-368.98 h40 r180
  text "GND" at 235.76,-368.98 h40 r180
  text "4" at 335.76,-368.98 h40 r180
  text "13" at 420.91,-368.98 h40 r180
  text "14" at 535.76,-368.98 h40 r180
  text "15" at 635.76,-368.98 h40 r180
  text "27" at 735.76,-368.98 h40 r180
  text "32" at 835.76,-368.98 h40 r180
  text "33" at 935.76,-368.98 h40 r180
  text "9" at 1035.76,-368.98 h40 r180
  text "10" at 1135.76,-368.98 h40 r180
  text "18" at 1235.76,-368.98 h40 r180
  text "19" at 1335.76,-368.98 h40 r180
  text "21" at 1435.76,-368.98 h40 r180
  text "22" at 1535.76,-368.98 h40 r180
  text "23" at 1635.76,-368.98 h40 r180
  text "25" at 1735.76,-368.98 h40 r180
  text "26" at 1835.76,-368.98 h40 r180
Top Solder:
  rectangle: 1890,-215 2115,210
  text "KEY" at 118.18,236.99 h60
  text "RST" at 661.65,236.99 h60
Bottom Solder:
  rectangle: 1890,-215 2115,210
Mechanical 1:
  the board outline again, w10
Drill Drawing:
  circle w10: c100.62,1930.28 r33.33
  lines w10: 67.29,1163.61 83.96,1163.61 83.96,1146.94 117.29,1146.94 117.29,1163.61 133.96,1163.61 133.96,1196.94 117.29,1196.94 117.29,1213.61 83.96,1213.61 83.96,1196.94 67.29,1196.94 67.29,1163.61 ; 67.29,1313.61 83.96,1313.61 100.62,1296.94 117.29,1313.61 133.96,1313.61 117.29,1330.28 133.96,1346.94 117.29,1346.94 100.62,1363.61 83.96,1346.94 67.29,1346.94 83.96,1330.28 67.29,1313.61 ; 67.29,1446.94 100.62,1463.61 133.96,1446.94 117.29,1480.28 133.96,1513.61 100.62,1496.94 67.29,1513.61 83.96,1480.28 67.29,1446.94 ; 67.29,1663.61 133.96,1663.61 100.62,1596.94 67.29,1663.61 ; 67.29,1746.94 133.96,1746.94 133.96,1813.61 67.29,1813.61 67.29,1746.94
  lines w15: 7.5,1101.94 13215.79,1101.94 ; 7.5,2001.94 13215.79,2001.94 ; 558.38,951.94 558.38,2151.94 ; 1148.22,951.94 1148.22,2151.94 ; 2247.9,951.94 2247.9,2151.94 ; 2753.78,951.94 2753.78,2151.94 ; 3487.58,951.94 3487.58,2151.94 ; 4677.23,951.94 4677.23,2151.94 ; 5267.08,951.94 5267.08,2151.94 ; 6012.88,951.94 6012.88,2151.94 ; 7202.53,951.94 7202.53,2151.94 ; 8056.29,951.94 8056.29,2151.94 ; 9389.9,951.94 9389.9,2151.94 ; 10723.51,951.94 10723.51,2151.94 ; 11813.19,951.94 11813.19,2151.94 ; 7.5,951.94 13215.79,951.94 13215.79,2151.94 7.5,2151.94 7.5,951.94
  text "Symbol" at 97.5,2046.94 h72
  text "Count" at 603.38,2046.94 h72
  text "Hole Size" at 1193.22,2046.94 h72
  text "Plated" at 2292.9,2046.94 h72
  text "Hole Type" at 2798.78,2046.94 h72
  text "Drill Layer Pair" at 3532.58,2046.94 h72
  text "Via/Pad" at 4722.23,2046.94 h72
  text "Pad Shape" at 5312.08,2046.94 h72
  text "Template" at 6057.88,2046.94 h72
  text "Description" at 7247.53,2046.94 h72
  text "Hole Tolerance (+)" at 8101.29,2046.94 h72
  text "Hole Tolerance (-)" at 9434.9,2046.94 h72
  text "Hole Length" at 10768.51,2046.94 h72
  text "Routed Path Length" at 11858.19,2046.94 h72
  text "2" at 603.38,1896.94 h60
  text "23.62mil (0.600mm)" at 1193.22,1896.94 h60
  text "PTH" at 2292.9,1896.94 h60
  text "Slot" at 2798.78,1896.94 h60
  text "Top1 - Bottom2" at 3532.58,1896.94 h60
  text "Pad" at 4722.23,1896.94 h60
  text "Rounded" at 5312.08,1896.94 h60
  text "r160_100h60_120r100" at 6057.88,1896.94 h60
  text "47.24mil (1.200mm)" at 10768.51,1896.94 h60
  text "23.62mil (0.600mm)" at 11858.19,1896.94 h60
  text "2" at 603.38,1746.94 h60
  text "23.62mil (0.600mm)" at 1193.22,1746.94 h60
  text "PTH" at 2292.9,1746.94 h60
  text "Slot" at 2798.78,1746.94 h60
  text "Top1 - Bottom2" at 3532.58,1746.94 h60
  text "Pad" at 4722.23,1746.94 h60
  text "Rounded" at 5312.08,1746.94 h60
  text "r210_100h60_170r100" at 6057.88,1746.94 h60
  text "66.93mil (1.700mm)" at 10768.51,1746.94 h60
  text "43.31mil (1.100mm)" at 11858.19,1746.94 h60
  text "2" at 603.38,1596.94 h60
  text "25.59mil (0.650mm)" at 1193.22,1596.94 h60
  text "PTH" at 2292.9,1596.94 h60
  text "Round" at 2798.78,1596.94 h60
  text "Top1 - Bottom2" at 3532.58,1596.94 h60
  text "Pad" at 4722.23,1596.94 h60
  text "Rounded" at 5312.08,1596.94 h60
  text "c65h65" at 6057.88,1596.94 h60
  text "-" at 10768.51,1596.94 h60
  text "-" at 11858.19,1596.94 h60
  text "4" at 603.38,1446.94 h60
  text "78.74mil (2.000mm)" at 1193.22,1446.94 h60
  text "PTH" at 2292.9,1446.94 h60
  text "Round" at 2798.78,1446.94 h60
  text "Top1 - Bottom2" at 3532.58,1446.94 h60
  text "Pad" at 4722.23,1446.94 h60
  text "Rounded" at 5312.08,1446.94 h60
  text "c300h200" at 6057.88,1446.94 h60
  text "-" at 10768.51,1446.94 h60
  text "-" at 11858.19,1446.94 h60
  text "32" at 603.38,1296.94 h60
  text "32.00mil (0.813mm)" at 1193.22,1296.94 h60
  text "PTH" at 2292.9,1296.94 h60
  text "Round" at 2798.78,1296.94 h60
  text "Top1 - Bottom2" at 3532.58,1296.94 h60
  text "Pad" at 4722.23,1296.94 h60
  text "Rounded" at 5312.08,1296.94 h60
  text "c127h81" at 6057.88,1296.94 h60
  text "-" at 10768.51,1296.94 h60
  text "-" at 11858.19,1296.94 h60
  text "138" at 603.38,1146.94 h60
  text "10.00mil (0.254mm)" at 1193.22,1146.94 h60
  text "PTH" at 2292.9,1146.94 h60
  text "Round" at 2798.78,1146.94 h60
  text "Top1 - Bottom2" at 3532.58,1146.94 h60
  text "Via" at 4722.23,1146.94 h60
  text "Rounded" at 5312.08,1146.94 h60
  text "(Mixed)" at 6057.88,1146.94 h60
  text "-" at 10768.51,1146.94 h60
  text "-" at 11858.19,1146.94 h60
  text "180 Total" at 603.38,996.94 h60
  text "Slot definitions :" at 97.5,851.97 h60
  text "Routed Path Length" at 1130.19,851.97 h60
  text "= Calculated from tool start centre position to tool end centre position." at 2232.86,851.97 h60
  text "Hole Length" at 1130.19,751.99 h60
  text "= Routed Path Length + Tool Size = Slot length as defined in the PCB layout" at 1822.99,751.99 h60